# KiCad board CPU2908C.kicad_pcb (continued)
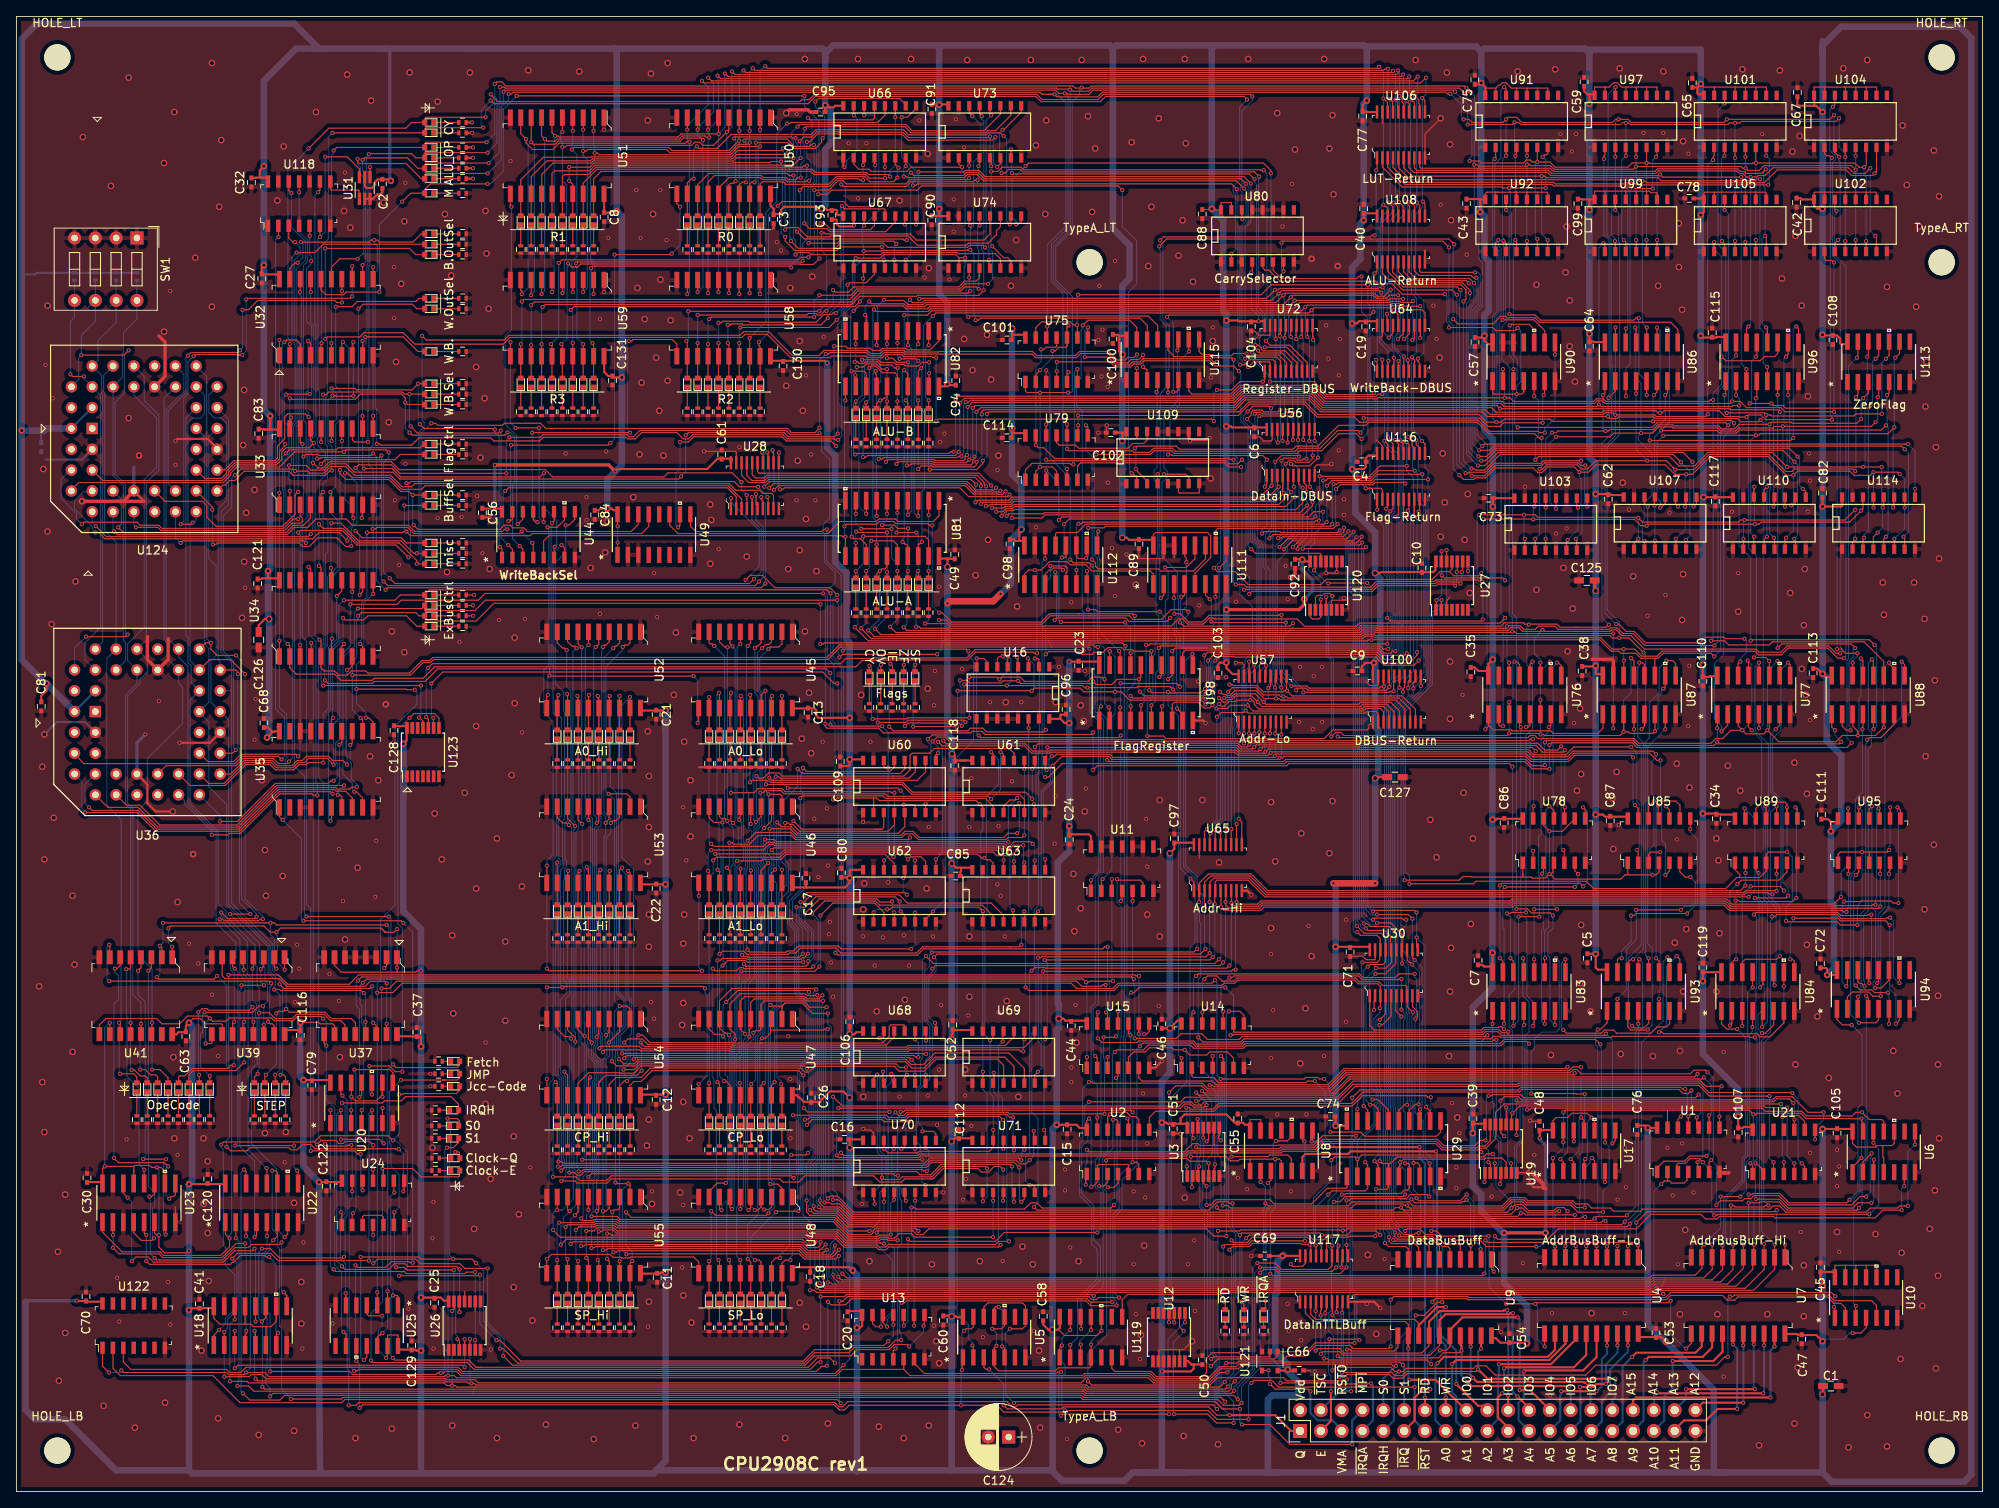
[diagram p0: board, top side]
## Routing (per net, layer and track width the routed paths; a pad name or vN(x,y) marks a point on that pad's centre or on a via; arc(x,y) is an arc through that point) (continued)
  Top w0.127: 190.23,82.1 188.71,80.57 v2(187.12,80.57) 186.42,81.28 186.42,81.84 ; U85.12 199.23,83.61 v2(199.88,84.26) 202.55,84.26 203.06,83.75 203.06,82.1 ; 183.88,74.98 184.9,74.98 185.03,74.86 186.64,74.86 v2(187.12,75.35) 187.2,75.35 187.25,75.3 ; 183.88,74.98 177.66,74.98 177.6,75.04 176.56,75.04 176.13,74.62 176.13,74.6 v2(169.45,74.6) ; 183.88,74.98 183.88,75.37 ; U85.4 200.5,75.6 200.15,75.25 v2(199.7,75.25) 196.34,75.25 195.82,74.73 187.82,74.73 187.25,75.3 ; U27.2 173.93,108.74 v2(173.95,108.76) ; 183.88,75.37 183.88,75.11 ; 183.88,75.37 183.88,76.64 ; U85.1 196.69,75.25 ; 187.25,75.3 187.56,75.61 187.56,76.25
  Bottom w0.127: v2(173.95,108.76) 173.95,108.41 172.58,107.03 172.58,98.64 169.26,95.33 169.28,95.31 169.28,75.24 169.45,75.07 v2(169.45,74.6) ; v2(199.88,84.26) 199.88,78.92 199.38,78.41 199.38,75.57 v2(199.7,75.25) ; v2(187.12,75.35) v2(187.12,80.57)
Net-(U27-Pad8): length 109.8
  Top w0.127: v2(164.96,147.25) 153.15,147.25 151.94,146.04 v2(129.59,146.04) ; U27.8 v2(177.18,112.35) ; v2(167.33,106.6) 167.71,106.23 178.81,106.23 v2(179,106.41) ; U75.13 124.43,142.03 125.14,142.74 128.64,142.74 129.02,142.36 129.02,142.36 v2(129.46,142.36) 129.51,142.31 U75.9
  Bottom w0.127: v2(129.59,146.04) 129.46,145.91 v2(129.46,142.36) ; v2(177.18,112.35) 177.18,112 179,110.18 v2(179,106.41) ; v2(164.96,147.25) 164.96,144.96 165.21,144.71 165.21,133.79 165.85,133.15 165.85,126.93 165.21,126.29 165.21,119.51 166.89,117.83 166.89,111.96 167.33,111.52 v2(167.33,106.6)
Net-(U27-Pad9): length 66.7
  Top w0.127: U27.9 176.53,112.29 v2(176.44,112.2) ; v2(149.85,110.04) 150.2,110.04 150.26,110.1 165.4,110.1 166.1,110.8 173.21,110.8 173.4,110.99 176.08,110.99 v2(176.26,110.8) ; 129.53,123.63 129.53,125.15 129.91,125.53 147.48,125.53 147.94,125.07 147.94,125.02 v2(149.47,125.02)
  Bottom w0.127: v2(176.44,112.2) 176.44,110.98 v2(176.26,110.8) ; v2(149.47,125.02) 149.6,124.89 149.6,110.29 v2(149.85,110.04)
Net-(U27-Pad10): length 75.6
  Top w0.127: v2(150.48,109.53) 150.79,109.84 165.5,109.84 166.21,110.55 173.34,110.55 173.53,110.73 175.44,110.73 v2(175.63,110.55) ; v2(149.59,125.91) 149.09,125.41 147.96,125.41 147.58,125.78 125.83,125.78 v2(125.7,125.91) ; v2(125.7,130.23) 125.7,128.83 ; v2(175.81,112.2) 175.88,112.26 U27.10
  Bottom w0.127: v2(150.48,109.53) 150.48,111.55 150.08,111.94 150.08,125.42 v2(149.59,125.91) ; v2(125.7,125.91) v2(125.7,130.23) ; v2(175.81,112.2) 175.81,110.73 v2(175.63,110.55)
Net-(U27-Pad12): length 158.2
  Top w0.127: 210.36,74.92 209.98,74.92 208.65,73.59 192.52,73.59 191.63,74.48 178.17,74.48 177.85,74.16 v2(170.04,74.16) ; 210.36,74.92 210.36,75.3 209.77,75.89 U89.1 ; 210.36,74.92 212.77,74.92 213.6,75.75 213.6,76.51 ; 226.17,78.03 228.33,78.03 v2(228.59,78.29) ; 226.17,78.03 226.17,77.27 ; 226.17,78.03 v2(225.28,78.03) 222.62,78.03 222.35,77.76 U95.1 ; 212.33,81.97 212.33,83.37 213.09,84.13 215.89,84.13 216.12,83.89 216.12,83 216.14,82.99 ; U89.4 213.58,77.76 213.85,78.03 v2(216.14,78.03) ; 216.14,82.99 216.14,82.1 ; 216.14,82.99 216.14,83.12 216.12,83.14 v2(216.12,83.49) ; v2(216.01,69.63) 216.11,69.52 222.24,69.52 222.62,69.14 v2(224.71,69.14) ; v2(174.57,114.88) 174.58,114.87 U27.12 ; v2(228.71,83.49) 228.71,81.97 ; v2(224.9,83.49) 224.9,82.22
  Bottom w0.127: v2(216.12,83.49) 216.12,78.05 v2(216.14,78.03) 216.78,77.4 216.78,72.06 216.01,71.29 v2(216.01,69.63) ; v2(224.9,83.49) 225.28,83.11 v2(225.28,78.03) 225.28,72.06 224.71,71.49 v2(224.71,69.14) ; v2(170.04,74.16) 170.04,75.11 169.53,75.62 169.53,95.18 172.83,98.48 172.83,106.86 174.57,108.6 v2(174.57,114.88) ; v2(228.71,83.49) 228.71,78.8 228.59,78.67 v2(228.59,78.29)
Net-(U29-Pad1): length 23.2
  Top w0.127: 144.85,38.36 144.85,37.69 v2(145.27,37.27) ; v2(145.27,34.98) 145.78,34.98 146.42,35.62 153.02,35.62 153.53,35.11 158.1,35.11 160.01,37.01 162.29,37.01 162.42,37.14 162.42,38.28
  Bottom w0.127: v2(145.27,37.27) v2(145.27,34.98)
Net-(U31-Pad4): length 38.4
  Top w0.127: U31.4 43.16,161.58 v2(43.15,161.6) ; 41.01,129.85 41.01,128.32 41.26,128.07 v2(42.91,128.07)
  Bottom w0.127: v2(42.91,128.07) 42.91,134.55 43.04,134.68 43.04,149.55 43.15,149.66 v2(43.15,161.6)
Net-(U37-Pad15): length 29.4
  Top w0.127: U37.15 45.18,57.06 v2(45.2,57.08) ; v2(45.2,62.02) 44.95,62.27 43.19,62.27 42.57,61.65 33.01,61.65 32.05,62.61 25.45,62.61 25.12,62.94 U39.7
  Bottom w0.127: v2(45.2,57.08) v2(45.2,62.02)
Net-(U39-Pad15): length 33.2
  Top w0.127: 31.47,55.55 31.47,56.84 31.22,57.08 30.97,57.08 v2(30.72,57.33) ; U41.7 11.4,66.67 v2(11.34,66.73) ; v2(31.1,62.03) 30.85,62.28 v2(11.33,62.28)
  Bottom w0.127: v2(31.1,62.03) 31.1,61.68 30.91,61.49 30.91,57.88 30.72,57.69 v2(30.72,57.33) ; v2(11.33,62.28) 11.07,62.55 11.07,66.46 v2(11.34,66.73)
Net-(U49-Pad10): length 59.7
  Top w0.127: v2(99.81,139.75) 101.2,139.75 101.45,139.51 104.23,139.51 104.49,139.25 105.5,139.25 105.75,139.5 108.54,139.5 108.73,139.31 111.52,139.31 112.62,140.4 U82.1 ; v2(100.06,127.56) 99.43,128.2 93.97,128.2 93.46,128.71 82.64,128.71 82.01,128.07 v2(81.01,128.07) ; v2(80.76,117.66) 81,117.89 U49.10
  Bottom w0.127: 99.81,137.85 99.81,138.17 ; 99.81,137.85 99.81,127.82 v2(100.06,127.56) ; 99.81,137.85 v2(99.81,139.75) ; v2(80.76,117.66) 80.51,117.91 80.51,124.26 81.01,124.76 v2(81.01,128.07)
Net-(U49-Pad11): length 37.8
  Top w0.127: 99.17,117.02 100.52,118.37 104.96,118.37 105.27,118.67 107.32,118.67 107.63,118.37 111.92,118.37 112.62,119.06 U81.1 ; 99.17,117.02 99.68,117.53 ; 99.17,117.02 99.05,116.89 80.76,116.89 79.74,117.91 79.74,118.67
Net-(U75-Pad3): length 153.5
  Top w0.127: U75.3 v2(125.7,136.82) ; 221.59,94.42 221.59,93.29 v2(221.98,92.89) ; v2(133.14,89.27) 133.33,89.08 154.7,89.08 154.95,89.34 184.24,89.34 185,88.58 186.17,88.58 ; v2(186.55,88.63) 186.55,88.58 186.17,88.58 ; 186.17,88.58 186.3,88.58 ; v2(186.58,91.42) 186.78,91.62 197.34,91.62 197.92,91.05 207.23,91.05 v2(207.62,91.43) 207.8,91.24 222.49,91.24 v2(222.74,91.5) ; v2(207.62,93.15) 207.62,94.54 207.74,94.54 ; v2(131.28,112.99) 130.94,113.34 129.02,113.34 v2(128.64,113.72)
  Bottom w0.127: v2(221.98,92.89) 221.98,92.26 v2(222.74,91.5) ; v2(186.58,91.42) 186.55,91.4 v2(186.55,88.63) ; v2(207.62,93.15) v2(207.62,91.43) ; v2(133.14,89.27) 133.14,94.23 131.94,95.43 131.94,99.29 131.53,99.69 131.53,112.74 v2(131.28,112.99) ; v2(128.64,113.72) 128.64,123.63 126.14,126.12 126.14,136.38 v2(125.7,136.82)
Net-(U75-Pad6): length 20.8
  Top w0.127: U79.1 123.16,124.66 123.97,125.46 128.55,125.46 128.66,125.34 v2(129.02,125.34) ; U75.6 v2(129.51,136.98)
  Bottom w0.127: v2(129.51,136.98) 129.15,136.61 129.15,125.83 129.02,125.7 v2(129.02,125.34)
Net-(U76-Pad4): length 41
  Top w0.127: v2(185.14,56.82) 185.26,56.95 185.26,58.65 ; U76.4 183.49,93.42 v2(183.63,93.27)
  Bottom w0.127: v2(183.63,93.27) 183.63,70.54 183.75,70.42 ; 184.37,69.4 184.37,69.27 ; 184.37,69.27 184.37,60.52 185.28,59.62 185.28,57.33 185.14,57.19 v2(185.14,56.82) ; 184.37,69.27 184.37,69.78 183.8,70.35 183.8,70.37 183.75,70.42 ; 183.75,70.42 183.87,70.3
Net-(U76-Pad7): length 42.9
  Top w0.127: v2(183.36,70.16) 185.9,70.16 v2(185.9,70.16) ; v2(187.06,93.27) 187.29,93.51 U76.7 ; v2(182.72,56.82) 182.72,58.22
  Bottom w0.127: v2(182.72,56.82) 183.36,57.46 v2(183.36,70.16) ; v2(185.9,70.16) 185.9,75.1 185.8,75.19 185.8,79.92 186.1,80.21 186.1,91.81 187.06,92.76 v2(187.06,93.27)
Net-(U76-Pad9): length 43.4
  Top w0.127: v2(188.07,101.15) 188.2,101.15 188.56,100.78 U76.9 ; v2(188.06,71.05) v2(185.26,71.05) ; 185.26,62.79 v2(185.26,64.95)
  Bottom w0.127: v2(188.06,71.05) 187.56,71.54 187.56,100.64 v2(188.07,101.15) ; v2(185.26,71.05) v2(185.26,64.95)
Net-(U76-Pad12): length 42.6
  Top w0.127: U76.12 184.75,100.96 v2(185.07,101.27) ; v2(184.25,70.67) 182.44,70.67 182.31,70.54 v2(181.96,70.54) ; 182.72,63.38 182.72,64.71 v2(182.36,65.08)
  Bottom w0.127: v2(185.07,101.27) 185.07,93.06 184.25,92.24 v2(184.25,70.67) ; v2(182.36,65.08) 182.36,70.14 v2(181.96,70.54)
Net-(U77-Pad4): length 41.6
  Top w0.127: v2(211.82,92.89) 211.43,93.29 U77.4 ; v2(213.09,56.7) 213.09,58.75 213.2,58.86
  Bottom w0.127: v2(213.09,56.7) 213.73,57.33 213.73,71.81 213.22,72.32 213.22,83.22 213.02,83.42 213.02,91.69 v2(211.82,92.89)
Net-(U77-Pad7): length 46.3
  Top w0.127: v2(214.74,93.02) 215.24,93.51 U77.7 ; v2(210.66,56.82) 210.66,58.73 ; v2(211.69,73.84) 215.25,73.84 v2(215.76,73.33)
  Bottom w0.127: v2(214.74,93.02) 214.11,92.38 214.11,85.4 215.38,84.13 215.38,73.72 v2(215.76,73.33) ; v2(210.66,56.82) 210.66,72.81 v2(211.69,73.84)
Net-(U77-Pad9): length 49.1
  Top w0.127: U84.12 213.2,61.89 v2(212.84,61.52) ; v2(216.27,101.15) 216.5,100.91 U77.9 ; v2(212.2,72.44) 212.56,72.44 212.57,72.44 216,72.44 v2(216.27,72.7)
  Bottom w0.127: v2(216.27,101.15) 215.38,100.26 215.38,92.89 214.36,91.88 214.36,85.5 215.63,84.23 215.63,74.31 216.27,73.68 v2(216.27,72.7) ; v2(212.2,72.44) 212.71,71.94 212.71,62 212.84,61.88 v2(212.84,61.52)
Net-(U77-Pad12): length 45.5
  Top w0.127: 210.66,63.17 210.66,64.59 211.03,64.95 214.87,64.95 v2(215.25,65.33) ; U77.12 212.69,101.13 v2(212.71,101.15)
  Bottom w0.127: 213.85,84.26 213.85,84.13 ; 213.85,84.26 213.91,84.2 213.91,83.07 213.73,82.88 213.73,72.83 215.25,71.3 v2(215.25,65.33) ; 213.85,84.26 213.85,91.24 212.26,92.83 212.26,93.1 212.2,93.16 212.2,100.64 v2(212.71,101.15)
Net-(U79-Pad9): length 73.1
  Top w0.127: v2(129.59,131.3) 129.59,131.31 149.15,131.31 150.55,132.7 157.18,132.7 158.77,131.12 163.31,131.12 163.94,130.48 164.71,130.48 164.96,130.74 178.42,130.74 179.79,129.37 185.76,129.37 185.91,129.21 v2(186.55,129.21) ; U90.8 v2(187.8,138.74) ; 129.51,128.96 129.59,129.04 v2(129.59,130.1)
  Bottom w0.127: v2(129.59,131.3) 129.59,130.1 v2(129.59,130.1) ; v2(187.8,138.74) 187.8,130.98 186.55,129.72 v2(186.55,129.21)
Net-(U79-Pad10): length 71.4
  Top w0.127: v2(128.26,127.25) 128.51,127 136.17,127 136.37,126.8 138.31,126.8 138.81,127.31 141.08,127.31 141.46,126.93 156.07,126.93 156.45,127.31 159.12,127.31 161.27,129.46 163.82,129.46 v2(164.07,129.21) ; v2(128.26,130.23) 128.24,130.21 U79.10 ; v2(186.29,130.42) 181.53,130.42 181.09,129.98 179.61,129.98 178.6,130.99 v2(164.45,130.99) ; U90.6 186.53,133.9 v2(186.42,133.79)
  Bottom w0.127: v2(186.29,130.42) 186.29,133.66 v2(186.42,133.79) ; v2(128.26,130.23) v2(128.26,127.25) ; v2(164.07,129.21) 164.45,129.59 v2(164.45,130.99)
Net-(U83-Pad9): length 25.6
  Top w0.127: v2(188.82,56.32) 189.2,55.94 193.46,55.94 193.83,56.31 194.94,56.31 195.31,55.94 199.5,55.94 200.26,56.7 201.41,56.7 201.79,57.08 201.79,58.22 ; U83.9 v2(189.07,64.95)
  Bottom w0.127: v2(188.82,56.32) 188.82,56.33 188.58,56.57 188.58,64.46 v2(189.07,64.95)
Net-(U84-Pad7): length 29.9
  Top w0.127: U84.7 215.74,57.19 214.05,55.49 212.79,55.49 212.41,55.87 201.07,55.87 200.87,56.06 v2(200.52,56.06) ; v2(202.66,65.33) 203.04,64.95 U93.9
  Bottom w0.127: v2(202.66,65.33) 201.41,64.08 201.41,56.95 v2(200.52,56.06)
Net-(U84-Pad9): length 34
  Top w0.127: v2(216.9,69.96) 222.32,69.96 222.63,69.65 228.15,69.65 v2(228.65,69.14) ; 217.01,62.92 217.01,64.71 216.78,64.95 v2(216.52,64.95) ; v2(229.42,57.08) 229.84,57.49 U94.7
  Bottom w0.127: v2(228.65,69.14) 228.65,61.33 229.42,60.56 v2(229.42,57.08) ; v2(216.52,64.95) 216.52,69.27 216.9,69.65 v2(216.9,69.96)
Net-(U86-Pad7): length 41.6
  Top w0.127: U86.7 201.52,134.04 v2(201.26,133.79) ; v2(217.27,142.17) 217.52,141.91 U96.9 ; v2(216.89,128.58) 216.56,128.26 v2(199.36,128.26)
  Bottom w0.127: v2(217.27,142.17) 216.89,141.79 v2(216.89,128.58) ; v2(201.26,133.79) 201.26,130.87 199.36,128.96 v2(199.36,128.26)
Net-(U87-Pad4): length 42.4
  Top w0.127: 199.25,57.97 199.25,57.14 198.68,56.57 197.47,56.57 v2(197.22,56.82) ; U87.4 v2(197.46,93.02)
  Bottom w0.127: v2(197.46,93.02) 197.46,91.51 198.34,90.63 198.34,66.71 196.76,65.13 196.76,57.28 v2(197.22,56.82)
Net-(U87-Pad7): length 44.4
  Top w0.127: 201.26,94.85 v2(201.26,93.02) ; U93.3 196.69,56.71 197.09,56.32 199.06,56.32 v2(199.12,56.38)
  Bottom w0.127: v2(201.26,93.02) 199.12,90.88 199.12,66.86 199.67,66.31 199.67,56.93 v2(199.12,56.38)
Net-(U87-Pad9): length 42.7
  Top w0.127: U87.9 202.53,101.04 202.17,101.4 v2(201.41,101.4) ; 199.23,62.67 v2(199.23,65.08)
  Bottom w0.127: v2(201.41,101.4) 200.52,100.51 200.52,97.44 199.31,96.24 199.31,91.94 198.87,91.49 198.87,65.44 v2(199.23,65.08)
Net-(U87-Pad12): length 41.1
  Top w0.127: U93.14 196.69,64.56 197.09,64.95 v2(197.34,64.95) ; v2(198.11,101.15) 198.49,101.15 198.72,100.91 U87.12
  Bottom w0.127: v2(197.34,64.95) 198.61,66.22 198.61,91.37 197.9,92.08 197.9,100.59 198.11,100.79 v2(198.11,101.15)
Net-(U88-Pad4): length 41.9
  Top w0.127: 227.3,58.22 227.3,57.57 226.94,57.21 v2(224.9,57.21) ; U88.4 225.4,93.08 v2(225.34,93.02)
  Bottom w0.127: v2(224.9,57.21) 223.89,58.22 223.89,74.98 224.07,75.15 224.07,75.45 224.46,75.85 224.46,84.45 225.34,85.32 v2(225.34,93.02)
Net-(U88-Pad7): length 38.8
  Top w0.127: v2(224.78,60.38) 224.78,58.75 224.76,58.73 ; v2(225.92,91.75) 226.17,92 227.58,92 229.21,93.63 U88.7
  Bottom w0.127: v2(225.92,91.75) 225.92,91.4 225.73,91.21 225.73,71.12 225.15,70.53 225.15,60.75 v2(224.78,60.38)
Net-(U88-Pad9): length 44
  Top w0.127: U88.9 230.47,100.91 v2(230.11,101.27) ; v2(227.13,62.03) 227.3,62.2 U94.12
  Bottom w0.127: v2(230.11,101.27) 230.11,94.55 228.08,92.52 228.08,71.29 227.26,70.47 227.26,62.16 v2(227.13,62.03)
Net-(U88-Pad12): length 46.4
  Top w0.127: v2(225.59,61.65) 225.23,62.01 224.95,62.01 224.76,62.19 U94.14 224.76,62.41 ; U88.12 226.66,101.34 v2(226.48,101.53)
  Bottom w0.127: v2(225.59,61.65) 225.59,62.23 225.47,62.35 225.47,70.3 226.05,70.88 226.05,90.61 226.43,90.99 226.43,92.64 226.05,93.02 226.05,101.1 v2(226.48,101.53)
Net-(U90-Pad10): length 11.7
  Top w0.127: v2(182.29,142.3) 182.41,142.42 184.64,142.42 185.28,141.79 185.28,140.39 ; 182.72,135.49 v2(182.72,136.96)
  Bottom w0.127: v2(182.29,142.3) 182.29,138.54 182.72,138.1 v2(182.72,136.96)
Net-(U100-Pad1): length 73.3
  Top w0.127: 139.29,135.63 139.29,134.28 v2(139.18,134.17) ; 165.59,93.65 165.21,93.65 165.09,93.53 165.09,93.15 164.89,92.95 160.7,92.95 159.64,91.88 140.32,91.88 140.01,92.19 v2(138.04,92.19)
  Bottom w0.127: v2(138.04,92.19) 138.04,96.2 138.73,96.89 138.73,101.98 138.98,102.23 138.98,103.49 139.43,103.94 139.43,106.86 139.12,107.18 139.12,113.91 139.31,114.1 139.31,122.99 138.86,123.44 138.86,124.6 139.24,124.98 139.24,133.75 139.18,133.81 v2(139.18,134.17)
Net-(U103-Pad2): length 160.3
  Top w0.127: U114.2 224.12,115.93 v2(224.45,116.26) ; 197.46,114.99 197.46,115.74 v2(197.98,116.26) ; v2(148.83,110.67) 149.86,110.67 150.18,110.35 165.29,110.35 166,111.05 173.09,111.05 173.27,111.24 178.39,111.24 178.58,111.05 v2(178.93,111.05) ; v2(210.81,116.26) 210.81,115.12 ; U79.13 v2(124.43,127.69) ; 124.45,128.83 124.45,127.67 124.76,127.36 125.41,127.36 126.73,126.04 148.1,126.04 148.22,125.91 v2(148.58,125.91) ; 126.99,140.39 126.99,139.75 126.86,139.63 125.69,139.63 125.43,139.37 v2(125.08,139.37) ; v2(178.55,119.18) v2(184.01,119.18) 185.41,119.18 185.71,118.88 197.63,118.88 197.7,118.8 v2(197.98,118.8) 198.49,118.29 210.18,118.29 210.43,118.55 v2(210.93,118.55) 223.18,118.55 v2(224.45,119.82) ; U103.2 v2(184.12,116.26)
  Bottom w0.127: v2(210.81,116.26) 210.81,118.42 v2(210.93,118.55) ; v2(148.58,125.91) 148.58,110.93 v2(148.83,110.67) ; 183.99,116.13 v2(184.12,116.26) 184.01,116.37 v2(184.01,119.18) ; v2(178.93,111.05) 178.3,111.68 178.3,118.93 v2(178.55,119.18) ; v2(224.45,116.26) v2(224.45,119.82) ; v2(125.08,139.37) 125.08,137.9 124.45,137.26 124.45,127.71 v2(124.43,127.69) ; v2(197.98,116.26) v2(197.98,118.8)
Net-(U103-Pad14): length 151.5
  Top w0.127: 174.92,112.26 173.78,112.26 172.83,111.31 165.87,111.31 159.88,111.31 159.24,110.67 150.35,110.67 148.77,112.26 146.61,112.26 v2(146.16,112.7) ; 174.92,112.26 175.43,111.75 178.48,111.75 v2(178.8,112.07) ; 174.92,112.26 175.23,112.56 U27.11 ; U75.8 130.78,142.03 v2(130.8,142.04) ; U110.14 212.06,122.53 v2(212.14,122.61) ; v2(185.28,120.2) 185.39,120.31 U103.14 ; v2(199.12,120.2) 198.72,120.59 U107.14 ; v2(146.54,137.85) 146.14,137.85 145.76,138.23 137.53,138.23 137.15,137.85 136.26,137.85 135.88,137.47 134.25,137.47 133.29,138.43 v2(130.41,138.43) ; U114.14 225.4,119.93 v2(225.16,119.69) 223.76,118.29 212.97,118.29 212.71,118.04 v2(212.2,118.04) 199.17,118.04 v2(198.98,117.85) 198.29,117.85 197.52,118.62 v2(185.15,118.62) 185.1,118.67 v2(179.06,118.67)
  Bottom w0.127: v2(179.06,118.67) 179.06,112.32 v2(178.8,112.07) ; v2(130.41,138.43) 130.41,141.66 v2(130.8,142.04) ; v2(146.54,137.85) 146.98,137.41 146.98,113.53 v2(146.16,112.7) ; v2(212.2,118.04) 212.14,118.11 v2(212.14,122.61) ; v2(185.28,120.2) 185.15,120.07 v2(185.15,118.62) ; v2(199.12,120.2) 199.12,117.99 v2(198.98,117.85)
Net-(U106-Pad1): length 56.6
  Top w0.127: v2(140.57,134.1) 140.56,134.12 U115.5 ; v2(139.6,152.67) 140.02,153.09 165.25,153.09 165.43,153.28 v2(165.79,153.28) ; U106.1 166.08,161.32 v2(165.97,161.22)
  Bottom w0.127: v2(165.97,161.22) 165.97,153.46 v2(165.79,153.28) ; v2(139.6,152.67) 139.94,152.33 139.94,143.06 140.7,142.3 140.7,136.96 140.57,136.83 v2(140.57,134.1)
Net-(U108-Pad1): length 42.6
  Top w0.127: v2(140.45,143.31) 140.7,143.56 165.27,143.56 v2(165.65,143.95) ; v2(165.79,148.65) 166.1,148.96 166.1,149.28 ; U115.6 141.83,134.41 141.59,134.17 v2(141.21,134.17)
  Bottom w0.127: v2(165.79,148.65) 165.41,148.26 165.41,145.47 165.65,145.22 v2(165.65,143.95) ; v2(140.45,143.31) 141.21,142.55 v2(141.21,134.17)
Net-(U109-Pad4): length 105.9
  Top w0.127: U86.9 202.79,141.43 202.81,141.45 202.81,141.8 201.92,142.68 185.91,142.68 185.36,143.23 181.93,143.23 181.74,143.42 181.19,143.42 180.26,142.49 175.94,142.49 v2(175.37,143.06) ; v2(139.5,151.95) 140.39,152.84 165.35,152.84 174.86,152.84 v2(175.5,152.2) ; v2(139.31,124.13) 139.29,124.12 139.29,122.99
  Bottom w0.127: v2(175.37,143.06) 175.37,151.71 175.5,151.84 v2(175.5,152.2) ; v2(139.5,151.95) 139.5,151.59 139.62,151.47 139.62,143.02 140.32,142.32 140.32,134.68 139.62,133.97 139.62,124.45 v2(139.31,124.13)
Net-(U109-Pad14): length 13.7
  Top w0.127: U79.11 126.97,127.99 127.27,127.69 129.27,127.69 129.65,127.31 135.68,127.31 136.26,127.89 137.6,127.89 138.03,128.32 138.03,129.34
Net-(U111-Pad4): length 25.2
  Top w0.127: v2(142.04,98.2) 141.64,98.61 134.82,98.61 ; v2(134.73,95.69) 134.72,95.67 U98.3 ; U111.4 142.59,109.39 142.38,109.17 v2(142.18,109.17)
  Bottom w0.127: v2(142.18,109.17) 142.18,108.82 142.1,108.74 142.1,106.78 141.6,106.28 141.6,104.95 142.04,104.51 142.04,98.56 142.04,98.56 v2(142.04,98.2) ; v2(134.78,98.65) 134.78,95.73 v2(134.73,95.69)
Net-(U111-Pad7): length 26.7
  Top w0.127: U111.7 146.4,109.19 v2(146.36,109.15) ; v2(145.15,96.7) 145.02,96.83 136.25,96.83 v2(136,97.08) ; v2(136,95.81) 136,94.29
  Bottom w0.127: v2(146.36,109.15) 146.36,108.71 146.42,108.65 146.42,106.08 145.91,105.58 145.91,101.25 145.78,101.13 145.78,97.34 v2(145.15,96.7) ; v2(136,97.08) v2(136,95.81)
Net-(U111-Pad9): length 27.6
  Top w0.127: v2(146.8,112.7) 147.67,113.58 U111.9 ; U98.8 141.07,95.54 141.08,95.56 141.08,96.07 141.33,96.32 144.25,96.32 144.94,95.63 145.66,95.63 v2(146,95.97)
  Bottom w0.127: v2(146,95.97) 146.29,96.26 146.29,100.62 146.8,101.13 v2(146.8,112.7)
Net-(U111-Pad12): length 24.9
  Top w0.127: U111.12 143.86,113.83 142.79,112.76 v2(140.19,112.76) ; U98.7 139.8,95.8 v2(139.81,95.81)
  Bottom w0.127: v2(140.19,112.76) 140.57,112.39 140.57,109 140.25,108.68 140.25,99.78 140.06,99.59 140.06,96.06 v2(139.81,95.81)
Net-(U112-Pad4): length 31.6
  Top w0.127: v2(126.73,106.35) 126.98,106.6 135.4,106.6 135.84,106.17 140.39,106.17 v2(140.83,106.61) ; v2(140.57,99.11) 141.07,99.61 U98.13 ; U112.4 126.84,112.14 v2(126.8,112.18)
  Bottom w0.127: v2(126.8,112.18) 126.98,112 126.98,106.6 v2(126.73,106.35) ; v2(140.83,106.61) 140.57,106.35 v2(140.57,99.11)
Net-(U112-Pad7): length 25.2
  Top w0.127: v2(139.56,107.37) 131.94,107.37 131.69,107.62 v2(130.8,107.62) ; U98.14 139.8,99.64 139.56,99.4 v2(139.51,99.4) ; 130.65,110.72 130.65,112.3 v2(130.68,112.32)
  Bottom w0.127: v2(130.68,112.32) 130.8,112.2 v2(130.8,107.62) ; v2(139.56,107.37) 140,106.93 140,99.89 v2(139.51,99.4)
Net-(U112-Pad9): length 19.2
  Top w0.127: U112.9 131.92,117.01 v2(132.07,117.15) ; v2(134.61,102.54) 134.72,102.43 U98.18
  Bottom w0.127: v2(132.07,117.15) 132.07,114.08 132.19,113.95 132.19,104.96 v2(134.61,102.54)
Net-(U112-Pad12): length 23.8
  Top w0.127: U98.17 135.99,102.27 v2(136,102.29) ; v2(127.49,106.1) 127.54,106.06 v2(135.32,106.06) ; v2(127.62,113.97) 127.62,113.97 128,113.97 128.13,114.1 128.13,115.88
  Bottom w0.127: v2(127.62,113.97) 127.24,113.59 127.24,106.35 v2(127.49,106.1) ; v2(136,102.29) 136,105.38 v2(135.32,106.06)
Net-(U115-Pad7): length 41.9
  Top w0.127: U116.1 166.08,119.84 v2(166.1,119.82) ; v2(166.74,133.91) 166.22,133.91 165.92,133.6 159.88,133.6 158.49,134.99 158.42,134.99 149.3,134.99 148.23,133.91 143.5,133.91 143.1,134.31 U115.7
  Bottom w0.127: v2(166.74,133.91) 166.1,133.27 v2(166.1,119.82)
Net-(U115-Pad9): length 31.3
  Top w0.127: U115.9 144.37,139.11 144.74,138.74 145.97,138.74 146.1,138.61 148.32,138.61 148.58,138.87 v2(150.16,138.87) ; v2(165.97,138.1) 166.08,138 U64.1 ; v2(165.72,134.04) 165.53,133.85 159.98,133.85 158.48,135.36 158.48,135.44 v2(153.02,135.44)
  Bottom w0.127: v2(165.72,134.04) 165.72,137.85 v2(165.97,138.1) ; v2(150.16,138.87) 153.02,136 v2(153.02,135.44)
Net-(U115-Pad10): length 32.3
  Top w0.127: v2(152.39,122.61) 152.62,122.84 U56.1 ; v2(140.57,126.55) 140.93,126.55 141.06,126.42 152.13,126.42 v2(152.64,125.91) ; v2(143.12,139.12) 143.1,139.14 U115.10
  Bottom w0.127: v2(152.39,122.61) 152.39,125.66 v2(152.64,125.91) ; v2(143.12,139.12) 141.97,137.98 141.97,132.64 140.82,131.5 140.82,126.8 v2(140.57,126.55)
Net-(U115-Pad11): length 70.1
  Top w0.127: U115.11 141.83,139.36 v2(141.72,139.25) ; 143.75,73.72 143.75,74.36 v2(143.31,74.8)
  Bottom w0.127: v2(143.31,74.8) 142.1,76.01 142.1,97.49 141.6,97.99 141.6,104.31 141.34,104.57 141.34,106.38 141.84,106.88 141.84,108.86 141.74,108.96 141.74,112.17 139.81,114.1 139.81,123.12 140.51,123.81 140.51,124.46 140.07,124.9 140.07,131.37 141.72,133.02 v2(141.72,139.25)
Net-(U115-Pad12): length 58.4
  Top w0.127: v2(148.58,138.1) 148.33,138.35 146,138.35 145.87,138.48 141.34,138.48 140.56,139.26 U115.12 ; U57.1 v2(149.19,92.53)
  Bottom w0.127: v2(149.19,92.53) 149.59,92.93 149.59,100.51 149.97,100.89 149.97,101.53 150.86,102.42 150.86,108 149.34,109.53 149.34,110.82 149.01,111.15 149.01,125.69 149.02,125.7 149.02,126.12 148.58,126.56 v2(148.58,138.1)
Net-(U115-Pad15): length 137.2
  Top w0.127: v2(50.28,100.51) 50.79,101.02 100.59,101.02 101.22,101.66 104.5,101.66 104.56,101.72 116.02,101.72 117.04,102.74 129.81,102.74 129.93,102.61 v2(130.29,102.61) ; U123.10 50.28,94.23 v2(50.02,94.49) ; v2(130.16,142.3) 130.8,142.93 135.88,142.93 136.76,142.04 136.76,141.03
  Bottom w0.127: v2(130.29,102.61) 130.29,107.24 130.1,107.43 130.1,131.81 129.4,132.52 129.4,135.31 129.95,135.86 129.95,141.73 130.16,141.94 v2(130.16,142.3) ; v2(50.28,100.51) 50.02,100.26 v2(50.02,94.49)
Net-(U118-Pad8): length 5.4
  Top w0.127: 41.82,157.86 41.82,158.73 41.75,158.81 38.45,158.81 38.32,158.93 U118.8
Net-(U118-Pad11): length 132
  Top w0.127: U118.11 v2(34.51,158.55) ; v2(35.93,41.58) 41.26,41.58 41.64,41.2 v2(42.02,41.2) ; 42.26,38.16 v2(42.26,36.76)
  Bottom w0.127: v2(34.51,158.55) 34.51,153.74 35.55,152.71 35.55,150.1 35.04,149.6 35.04,130.74 35.35,130.42 35.35,126.63 35.48,126.5 35.48,118.86 34.9,118.28 34.9,104.34 35.42,103.81 35.42,71.68 35.93,71.17 v2(35.93,41.58) ; v2(42.26,36.76) 42.02,37 v2(42.02,41.2)
Net-(U120-Pad1): length 56.4
  Top w0.127: U79.3 v2(125.7,124.58) ; v2(159.48,119.56) 158.37,119.56 157.73,118.93 127.62,118.93 v2(127.24,118.55) ; 159.24,106.99 159.24,106.73 158.99,106.48 158.18,106.48 157.91,106.74 U120.1 ; U120.3 v2(159.21,108.86)
  Bottom w0.127: v2(159.21,108.86) 159.21,110.95 157.72,112.44 157.72,114.99 158.48,115.75 158.48,116.89 159.48,117.89 v2(159.48,119.56) ; v2(125.7,124.58) 127.24,123.04 v2(127.24,118.55)
Net-(U120-Pad12): length 57.4
  Top w0.127: v2(149.21,136.71) 148.58,137.34 146.29,137.34 145.66,137.98 137.64,137.98 137.26,137.6 136.38,137.6 136,137.21 134.14,137.21 133.51,137.85 v2(126.99,137.85) ; v2(150.74,114.99) 151.24,114.48 159.12,114.48 159.24,114.36 159.24,113.85 ; v2(126.99,136.71) 126.99,135.44
  Bottom w0.127: v2(150.74,114.99) 150.34,115.39 150.34,129.74 149.46,130.62 149.46,136.46 v2(149.21,136.71) ; v2(126.99,137.85) v2(126.99,136.71)
Net-(U122-Pad2): length 252
  Top w0.127: U15.9 137,55.95 ; 137,55.95 137,57.06 ; 137,55.95 v2(137,55.82) ; v2(134.61,23.68) 132.07,23.68 131.81,23.42 131.29,23.42 130.91,23.8 101.44,23.8 100.87,23.23 v2(100.44,23.23) ; U17.6 v2(193.9,37.79) ; 11.8,17.45 11.8,15.04 12.69,14.15 23.99,14.15 27.29,10.85 39.7,10.85 40.08,11.23 100.19,11.23 v2(100.63,10.79) ; v2(137.13,54.34) 137.51,54.72 141.22,54.72 143.56,54.72 143.94,54.35 149.66,54.35 149.97,54.67 181.09,54.67 181.6,55.17 192.74,55.17 v2(193.35,54.57)
  Bottom w0.127: v2(193.35,54.57) 193.35,54.22 193.47,54.09 193.47,38.21 v2(193.9,37.79) ; v2(100.63,10.79) 100.44,10.98 v2(100.44,23.23) ; v2(137,55.82) 137.13,55.7 v2(137.13,54.34) 136.76,53.98 136.76,39.81 134.97,38.01 134.97,34.45 134.1,33.58 134.1,24.19 v2(134.61,23.68)
